# Altium PCB PCB_V2.PcbDoc (part 1 of 3)
Units mil, origin at the board's own origin, x right, y up, seen from the top; angles counter-clockwise.
Board outline 5050.36 x 2715 mil, 4 copper layers (Top Layer, GND, Power, Bottom Layer), stack 61.584 mil thick; 131 components, 101 nets, 507 pads, 705 vias.
Unrouted connection lines stored in the file: 2.
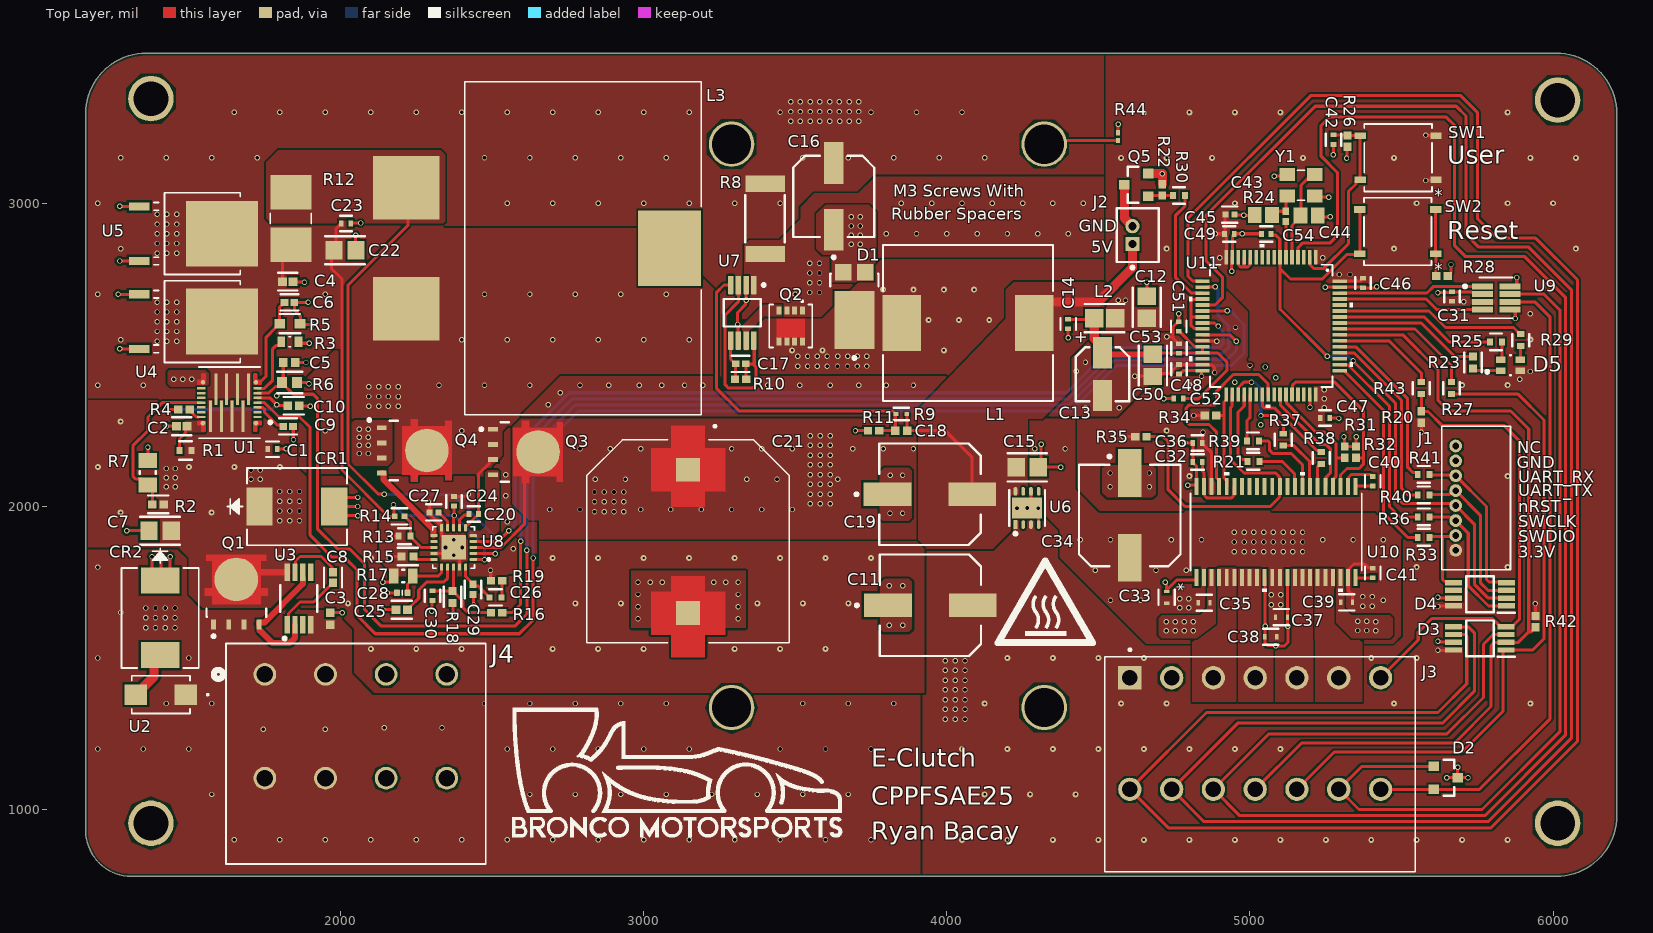
[diagram p0: Top Layer view]
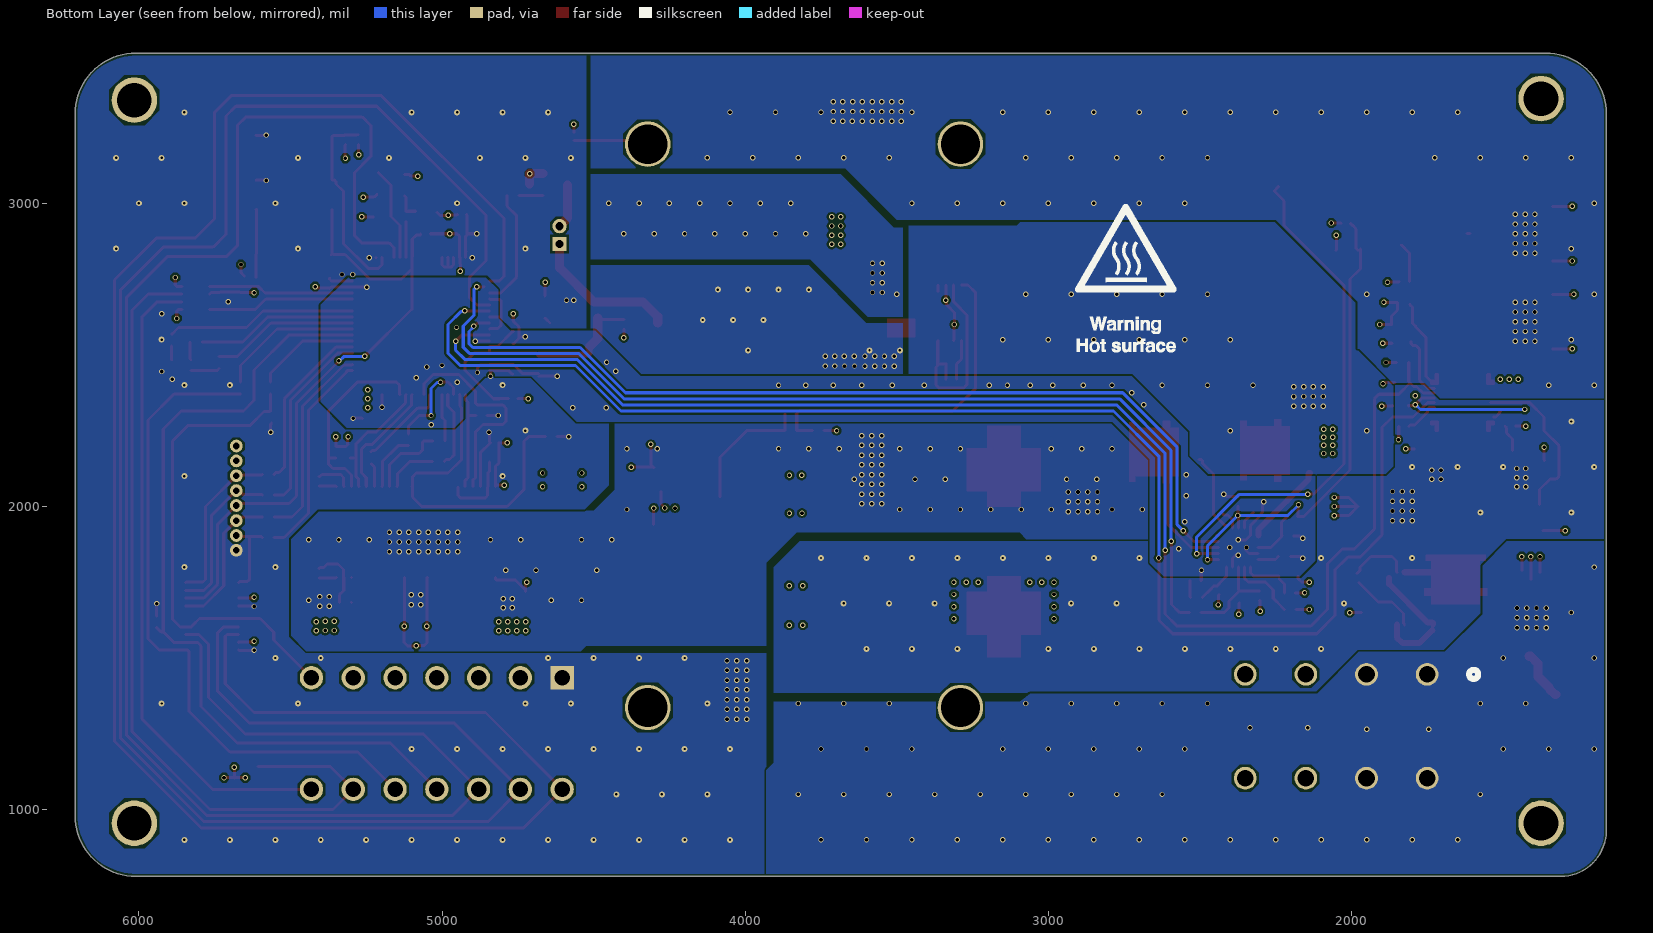
[diagram p1: Bottom Layer view, seen from below]
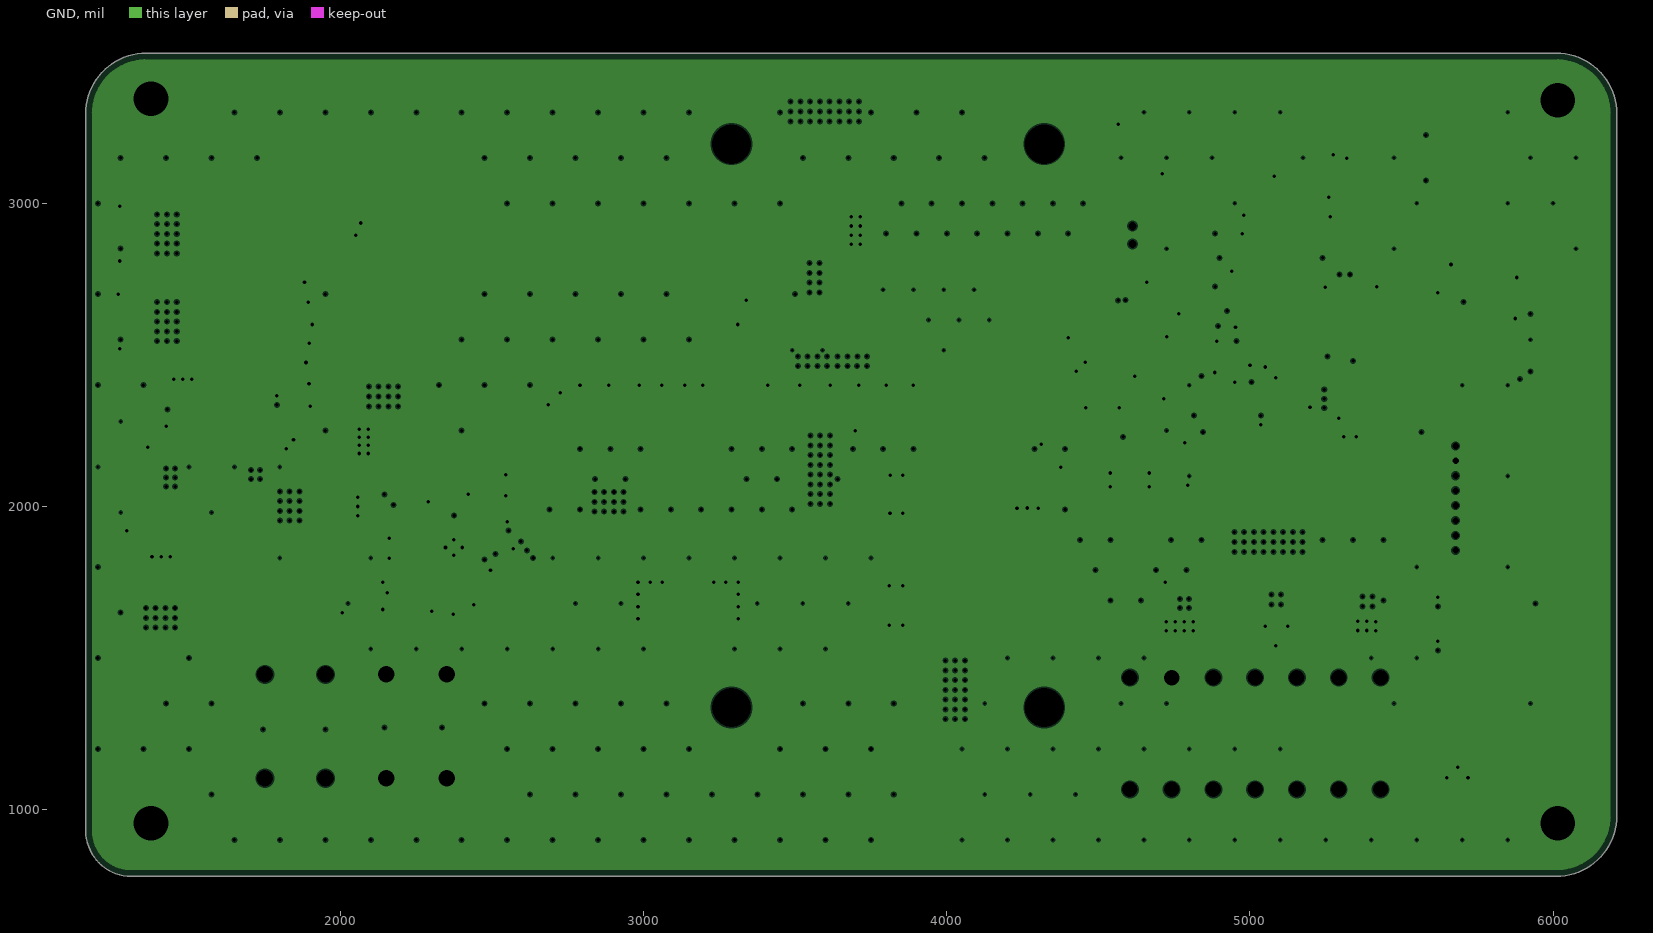
[diagram p2: GND, clearances drawn from the general rule]
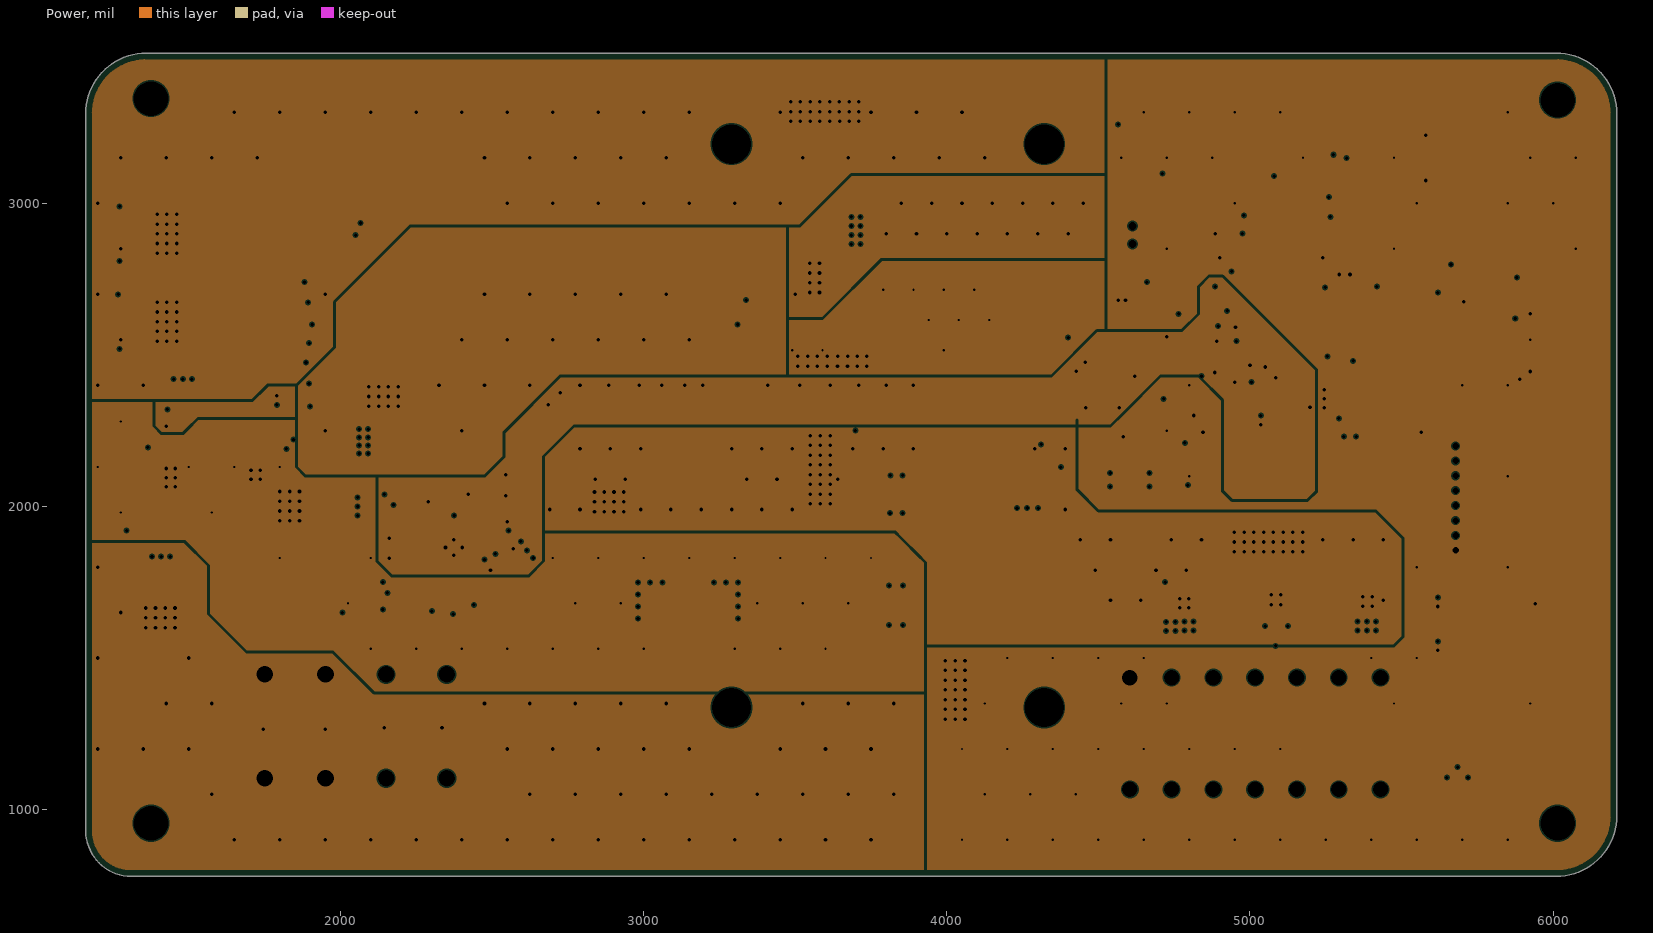
[diagram p3: Power, clearances drawn from the general rule]
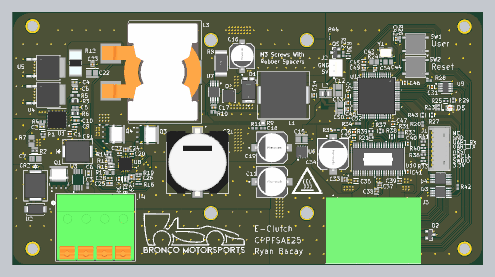
[diagram p6: 3D render of the assembled board from above, using the file's embedded part models]

## Layer stack, top to bottom
Top Solder: solder mask 0.6, Solder Resist, Dk 3.8
Top Layer: signal copper 1.378
Dielectric 6: prepreg 8.6, PP-023, Dk 4.5
Dielectric 2: prepreg 3.1, PP-008, Dk 4.1
GND: plane copper 0.689, net GND
Dielectric 3: core 34.05, Core-041, Dk 4.8
Power: plane copper 0.689, net (Multiple Nets)
Dielectric 4: prepreg 3.1, PP-008, Dk 4.1
Dielectric 7: prepreg 8.6, PP-023, Dk 4.5
Bottom Layer: signal copper 1.378
Bottom Solder: solder mask 0.6, Solder Resist, Dk 3.8

## Board outline
1160,930 ccw(c1310,930) 1310,780 6010,780 ccw(c6010,980) 6210,980 6210,3295 ccw(c6010,3295) 6010,3495 1360,3495 1359.64,3495 ccw(c1359.64,3295) 1159.64,3295 1160,3292.27

## Design rules (kind name [scope] priority, off if disabled: settings)
AssemblyTestpoint [All] p1: testpointundercomponent=FALSE minsize=40 maxsize=60 preferedsize=55 minholesize=20 maxholesize=40 preferedholesize=35 testpointgrid=1 usegrid=TRUE gridtolerance=0.01 allowsidetop=TRUE allowsidebottom=TRUE
BoardOutlineClearance [All] p1: gap=7.87 ignorepadtopadclearanceinfootprint=FALSE
Clearance [All] p1: gap=7 ignorepadtopadclearanceinfootprint=FALSE except(4: Arc-Arc Arc-Track Arc-SMDPad Arc-THPad Arc-Text Track-Track Track-SMDPad Track-THPad Track-Text SMDPad-SMDPad SMDPad-THPad SMDPad-Text THPad-THPad THPad-Text Text-Text; 5: Arc-Via Track-Via SMDPad-Via THPad-Via Via-Via Via-Text Fill-Text Poly-Text Region-Text; 9.84: Arc-Hole Track-Hole SMDPad-Hole THPad-Hole Via-Hole Text-Hole; 10: Fill-Hole Poly-Hole Region-Hole)
ComponentClearance [All] p1: gap=4 collisioncheckmode=3 verticalgap=4 showdistances=TRUE
DiffPairsRouting [All] p1: maxlimit=4 minlimit=4 mostfreqgap=4 toplayer_minwidth=4 toplayer_maxwidth=71497.94 toplayer_prefwidth=4 bottomlayer_minwidth=4 bottomlayer_maxwidth=71497.94 bottomlayer_prefwidth=4 maxuncoupledlength=500
FabricationTestPointUsage [All] p1: valid=0 allowmultiple=TRUE
FabricationTestpoint [All] p1: side=3 testpointundercomponent=TRUE minsize=40 maxsize=60 preferedsize=55 minholesize=20 maxholesize=40 preferedholesize=35 testpointgrid=1 allowsidetop=TRUE allowsidebottom=TRUE usegrid=TRUE gridtolerance=0.01
Height [All] p1: minheight=0 maxheight=71497.94 prefheight=500
HoleSize [All] p1: absolutevalues=TRUE maxlimit=248.03 minlimit=7.87 maxpercent=80.000 minpercent=20.000
HoleToHoleClearance [All] p1: gap=9.84 allowstackedmicrovias=FALSE
MinimumAnnularRing [All] p1: minimumring=2
MinimumSolderMaskSliver [All] p1: minsoldermaskwidth=5.91
PlaneClearance [All] p1: clearance=4
PlaneConnect PlaneConnectPowerPads [InPadClass('PowerPads')] p1: planeconnectstyle=Direct reliefexpansion=20 reliefentries=4 reliefconductorwidth=10 reliefairgap=10
PlaneConnect [All] p2: planeconnectstyle=Direct reliefexpansion=11.81 reliefentries=4 reliefconductorwidth=4 reliefairgap=4
PolygonConnect PolygonConnectPowerPads [All vs (IsPad) AND (InPadClass('YourPadClassName'))] p1: connectstyle=Direct reliefconductorwidth=10 reliefentries=4 polygonreliefangle="90 Angle" airgapwidth=10
PolygonConnect [All] p2: connectstyle=Direct reliefconductorwidth=4 reliefentries=4 polygonreliefangle="90 Angle" airgapwidth=4
RoutingVias [All] p1: holewidth=7.87 width=17.72 viastyle="Through Hole" minholewidth=7.87 minwidth=17.72 maxholewidth=248.03 maxwidth=257.87
SilkToSilkClearance [All] p1: silktosilkclearance=0
SilkToSolderMaskClearance [IsPad] p1: minsilkscreentomaskgap=4 clearancetoexposedcopper=TRUE
SolderMaskExpansion [All] p1: expansion=0 istentingtop=FALSE
SupplyNets "Schematic Supply Nets" [InNet('GND')] p1: voltage=0.000
Width [All] p1: maxlimit=71497.94 minlimit=4 preferedwidth=4
17 further rules are at their usual default settings.

## Classes and differential pairs
component class MCU: 2323 C31 C32 C33 C34 C35 C36 C37 C38 C39 C40 C41 C42 C43 C44 C45 C46 C47 C48 C49 C50 C51 C52 C53 C54 D2 D3 D4 D5 J1 J2 J3 J4 Q5 R20 R21 R22 R23 R24 R25 R26 R27 R28 R29 R30 R31 R32 R33 R34 R35 R36 R37 R38 R39 R40 R41 R42 R43 R44 SW1 SW2 U9 U10 U11 Y1

## Components (designator, comment, footprint, x,y, rotation, side; value= is the part's Value field where it differs from the comment)
C1 "1.0uF" FP-GRM155-0_1-MFG 1775.87,2188.71 r0 top
C2 "2.2uF" FP-GRM155-0_2-IPC_B 1476.42,2264.65 r180 top
C3 "100pF" CAPC1005X55X25ML05T05 1966.42,1629.72 r90 top
C4 "2.2uF" FP-GRM155-0_2-IPC_B 1826.28,2741.71 r0 top
C5 "100pF" CAPC1005X55X25ML05T05 1831.42,2474.65 r0 top
C6 "1nF" FP-C1005-050-0_05-IPC_B 1831.72,2673.16 r0 top
C7 "10uF" FP-CL21-IPC_A 1404.99,1919.65 r180 top
C8 "2.2uF" FP-GRM155-0_2-IPC_B 1975.42,1765.56 r90 top
C9 "47nF" FP-C1005-050-0_05-IPC_B 1827.2,2264.18 r0 top
C10 "15nF" FP-GRT155-0_05-IPC_A 1845.55,2332.05 r0 top
C11 "100uF" FP-FKF-MFG 3945.54,1673.94 r0 top
C12 "10uF" FP-CL21-IPC_A 4659.78,2657.2 r90 top
C13 "10uF" WCAP-ASLI_D4H5.5 -45486.55,52436.08 r90 top value=10µF
C14 ".1uF" FP-GRM155-0_05-MFG 4400.52,2601.49 r270 top value=100nF
C15 "10uF" FP-CL21-IPC_A 4265.15,2128.72 r0 top
C16 "27u" FP-OS-CON-SMT-C6-MFG 3626.96,3022.57 r90 top value=27uF
C17 "1nF" FP-C1005-050-0_05-IPC_B 3319.98,2470.35 r180 top
C18 "100pF" CAPC1005X55X25ML05T05 3850,2250 r180 top
C19 "100uF" FP-FKF-MFG 3944.1,2040.14 r0 top
C20 ".1uF" FP-GRM155-0_05-MFG 2439.68,1974.94 r180 top value=100nF
C21 "EEEFK1H102AV" CAP_EEEFK1H102AV 3146.42,1884.65 r270 top value=1mF
C22 "10uF" FP-CL21-IPC_A 2014.97,2844.65 r0 top
C23 ".1uF" FP-GRM155-0_05-MFG 2018.4,2933.49 r0 top value=100nF
C24 "1.0uF" FP-GRM155-0_1-MFG 2374.66,2016.88 r90 top
C25 "470p" FP-GCM155-0_1-IPC_A 2202.41,1659.74 r180 top
C26 "3.9nF" FP-CC0402-MFG 2511.37,1700.13 r0 top value="3.9 nF"
C27 "4.7uF" FP-CL829-IPC_C 2308.21,1980.05 r180 top
C28 "Capacitor 470nF +/-40% 10V 0402" CAPC0402(1005)60_L 2203.84,1715.16 r180 top value=470nF
C29 "22nF" FP-0402-L_1_0_0_05-W_0_5-IPC_B 2437.58,1726.59 r270 top
C30 ".1uF" FP-GRM155-0_05-MFG 2303.25,1705.9 r270 top value=100nF
C31 ".1uF" FP-GRM155-0_05-MFG 5665.84,2692.23 r90 top value=100nF
C32 "1.0uF" FP-GRM155-0_1-MFG 4827.19,2146.49 r0 top
C33 ".01uF" FP-CGA2B-IPC_C 4725,1700 r270 top value=10nF
C34 "100uF" FP-FKF-MFG 4603.45,1970.21 r270 top
C35 ".01uF" FP-CGA2B-IPC_C 4848.77,1682.18 r0 top value=10nF
C36 ".1uF" FP-GRM155-0_05-MFG 4827.19,2209.54 r0 top value=100nF
C37 ".01uF" FP-CGA2B-IPC_C 5103.77,1635 r180 top value=10nF
C38 ".01uF" FP-CGA2B-IPC_C 5068.75,1569.98 r0 top value=10nF
C39 ".01uF" FP-CGA2B-IPC_C 5318.89,1683.45 r0 top value=10nF
C40 ".1uF" FP-GRM155-0_05-MFG 5404.98,2082.71 r270 top value=100nF
C41 "1.0uF" FP-GRM155-0_1-MFG 5404.98,1780.15 r90 top
C42 ".1uF" FP-GRM155-0_05-MFG 5275,3210 r270 top value=100nF
C43 "15pF" CAPC2013X94X50LL20T25 5044.05,2960.89 r180 top
C44 "15pF" CAPC2013X94X50LL20T25 5195,2960 r0 top
C45 "4.7uF" FP-CL829-IPC_C 4933.79,2962.86 r0 top
C46 ".1uF" FP-GRM155-0_05-MFG 5373.1,2736.71 r270 top value=100nF
C47 ".1uF" FP-GRM155-0_05-MFG 5247.39,2292.01 r0 top value=100nF
C48 ".1uF" FP-GRM155-0_05-MFG 4766.29,2452.14 r90 top value=100nF
C49 ".1uF" FP-GRM155-0_05-MFG 4932.08,2898.82 r0 top value=100nF
C50 "10uF" FP-CL21-IPC_A 4680,2465 r270 top
C51 ".1uF" FP-GRM155-0_05-MFG 4765.04,2593.38 r90 top value=100nF
C52 "1.0uF" FP-GRM155-0_1-MFG 4764.32,2355.65 r180 top
C53 "1.0uF" FP-GRM155-0_1-MFG 4766.29,2521.13 r90 top
C54 ".1uF" FP-GRM155-0_05-MFG 5054.03,2898.82 r180 top value=100nF
CR1 "SMDJ16A" SMDJSeries_LTF 1856.42,1999.65 r0 top
CR2 "SMDJ16A" SMDJSeries_LTF 1405.34,1632.33 r270 top
D1 "PDS760Q-13" FP-PowerDI5-MFG 3695,2660 r270 top
D2 "DESD2CAN2SOQ-7" FP-SOT23-MFG 5645.63,1105 r0 top value=25pF
D3 "DT6250-06MR-13" SOP65P490X110-8N 5758.21,1564.68 r180 top
D4 "DT6250-06MR-13" SOP65P490X110-8N 5758.45,1710.21 r180 top
D5 "EAST1616RGBB2" FP-EAST1616RGBB2-MFG 5859.35,2465.59 r0 top
J1 "530480810" CONN08_530480810_MOL 5678.45,1855.21 r90 top
J2 "B2B-ZR-3.4(LF)(SN)" FP-B2B-ZR-3_4_LF_SN-MFG 4630,2895 r270 top
J3 "1841542" PHOENIX_1841542 4521.14,795.24 r0 top
J4 "1017505" CONN_1017493 2350.6,1103.55 r0 top
L1 "47uH" IND_PA4343PM4343_FP2_PUL 4070,2605 r180 top
L2 "MLZ2012N220LTD25" FP-MLZ2012-1_25-IPC_A 4520.69,2621.38 r180 top
L3 "PQ2614BLA-4R7K" IND_PQ2614BLA-4R7K 2781.89,2851.69 r270 top value=4.7µH
Q1 "SQJA80EP-T1_GE3" FP-S19-0643-SINGLE-MFG 1656.42,1724.65 r0 top
Q2 "DMP2008UFG-7" DMP2008UFG-7_DIO 3485,2595 r270 top
Q3 "SQJA80EP-T1_GE3" FP-S19-0643-SINGLE-MFG 2617.2,2179.65 r270 top
Q4 "SQJA80EP-T1_GE3" FP-S19-0643-SINGLE-MFG 2250.39,2184.65 r270 top
Q5 "DMN6140L-13" FP-SOT23-MFG 4624.9,3060.81 r180 top
R1 "10" FP-RP73P-1E-MFG 1488.86,2184.96 r0 top value=10Ω
R2 "20k" FP-AC0402-IPC_A 1398.7,2006.89 r180 top
R3 "ERA3AEB6040V" RES_ERA3AEB6040V 1833.12,2543.16 r0 top value=604
R4 "100k" RESC1005X40X25ML05T10 1483.7,2320 r180 top
R5 "47k" FP-RT0603-MFG 1833.12,2603.16 r0 top value=47KΩ
R6 "2.1k" FP-RG1608-IPC_C 1831.97,2408.35 r0 top value=2.1kR
R7 "3.4k" RESC2013X60X30ML20T20 1364.14,2111.72 r90 top
R8 "100m" FP-CSRN2512-IPC_B 3400.36,2948.33 r270 top value=100mR
R9 "30.1k" FP-RK73H1E-MFG 3850,2305 r180 top value=30.1kR
R10 "115k" RESC1005X40X25ML05T10 3320,2419.65 r180 top
R11 "10k" RESC1005X40X25ML05T10 3758.7,2250 r180 top
R12 "TLR3APDTE4L00F75" RESC6331X87N 1836.42,2949.65 r90 top value=4m
R13 "5k" FP-RC0402-MFG 2211.02,1902.08 r0 top value=5kΩ
R14 "32k" FP-RN73R1E-IPC_C 2195.17,1967.1 r180 top
R15 "50k" FP-CRCW0402-e3-IPC_A 2221.65,1834.65 r180 top value=50kR
R16 "10k" RESC1005X40X25ML05T10 2515.12,1649.65 r180 top
R17 "30k" RESC2013X60X35LL10T20 2207.47,1770.16 r180 top
R18 "50k" FP-CRCW0402-e3-IPC_A 2369.7,1701.76 r270 top value=50kR
R19 "115k" RESC1005X40X25ML05T10 2515.12,1754.65 r180 top
R20 "10k" RESC1005X40X25ML05T10 5565,2295 r90 top
R21 "100" FP-RT0402-MFG 5011.19,2148.46 r180 top value=100Ω
R22 "10k" RESC1005X40X25ML05T10 4710.53,3044.51 r90 top
R23 "300" FP-ERJ2RK-IPC_A 5735.82,2474.86 r90 top value=300R
R24 "0" RESC1005X40X25NL05T10 5118.45,2956.94 r90 top
R25 "100" FP-RT0402-MFG 5811.73,2542.43 r180 top value=100Ω
R26 "10k" RESC1005X40X25ML05T10 5321.32,3204.84 r270 top
R27 "100" FP-RT0402-MFG 5665,2390 r270 top value=100Ω
R28 "10k" RESC1005X40X25ML05T10 5633.45,2760.21 r0 top
R29 "100" FP-RT0402-MFG 5892.88,2548.33 r90 top value=100Ω
R30 "100" FP-RT0402-MFG 4765.84,3025.81 r0 top value=100Ω
R31 "10k" RESC1005X40X25ML05T10 5312.77,2178.91 r90 top
R32 "10k" RESC1005X40X25ML05T10 5349.95,2178.91 r90 top
R33 "100" FP-RT0402-MFG 5573.14,1897.78 r180 top value=100Ω
R34 "10k" RESC1005X40X25ML05T10 4870,2300 r0 top
R35 "10k" RESC1005X40X25ML05T10 4640,2230 r0 top
R36 "100" FP-RT0402-MFG 5573.14,1965.21 r180 top value=100Ω
R37 "100" FP-RT0402-MFG 5110,2220 r270 top value=100Ω
R38 "100" FP-RT0402-MFG 5235,2160 r90 top value=100Ω
R39 "100" FP-RT0402-MFG 5009.76,2216.31 r0 top value=100Ω
R40 "100" FP-RT0402-MFG 5573.14,2037.78 r180 top value=100Ω
R41 "100" FP-RT0402-MFG 5573.14,2105.21 r180 top value=100Ω
R42 "10k" RESC1005X40X25ML05T10 5941.42,1619.65 r270 top
R43 "100" FP-RT0402-MFG 5565,2390 r90 top value=100Ω
R44 "1M" RESC0603X26X15NL03T05 4565,3220 r90 top
SW1 "PTS526 SM15 SMTR2 LFS" "SON4_PTS526 SM15 SMTR2 LFS_CNK" 5488.45,3150.21 r180 top
SW2 "PTS526 SM15 SMTR2 LFS" "SON4_PTS526 SM15 SMTR2 LFS_CNK" 5487.5,2906.82 r180 top
U1 "PTPS259850RQPR" RQP0026A-MFG 1633.77,2342.31 r180 top
U2 "SMA6T33AY" SMA_UNI_STM 1407.6,1379.02 r180 top
U3 "LM74610QDGKTQ1" FP-DGK0008A-MFG 1863.03,1696.26 r90 top
U4 "SDT30B100D1-13" TO252_DIO 1544.34,2609.65 r270 top
U5 "SDT30B100D1-13" TO252_DIO 1544.34,2899.65 r270 top
U6 "TLV76733QWDRBRQ1" FP-DRB0008J-IPC_C 4264.8,1994.9 r90 top
U7 "LM3489QMMX/NOPB" DGK0008A_M 3325.2,2638.82 r270 top
U8 "LM5123QRGRRQ1" RGR0020C-IPC_A 2373.23,1864.65 r180 top
U9 "PTCAN3404DDFRQ1" DDF0008A-IPC_A 5811.73,2687.77 r0 top
U10 "DRV8462DDVR" HTSSOP44_DDV_TEX 5085.95,1915.46 r90 top
U11 "STM32G483RET6" LQFP64-10x10mm_STM 5069.7,2595.42 r270 top locked
Y1 "ECS-250-12-33Q-JES-TR" XTAL_ECS-250-12-33Q-JES-TR 5168.45,3059.3 r0 top
